# Altium PCB Thunderscope_Rev3.PCBDOC (part 5 of 6)
Units mm, origin at the board's own origin, x right, y up, seen from the top; angles counter-clockwise.
Board outline 119 x 104 mm, 6 copper layers (Top Layer, Int1 (GND), Int2 (Sign), Int3 (Sign), Int4 (GND), Bottom Layer), stack 1.49 mm thick; 575 components, 342 nets, 2000 pads, 1216 vias.
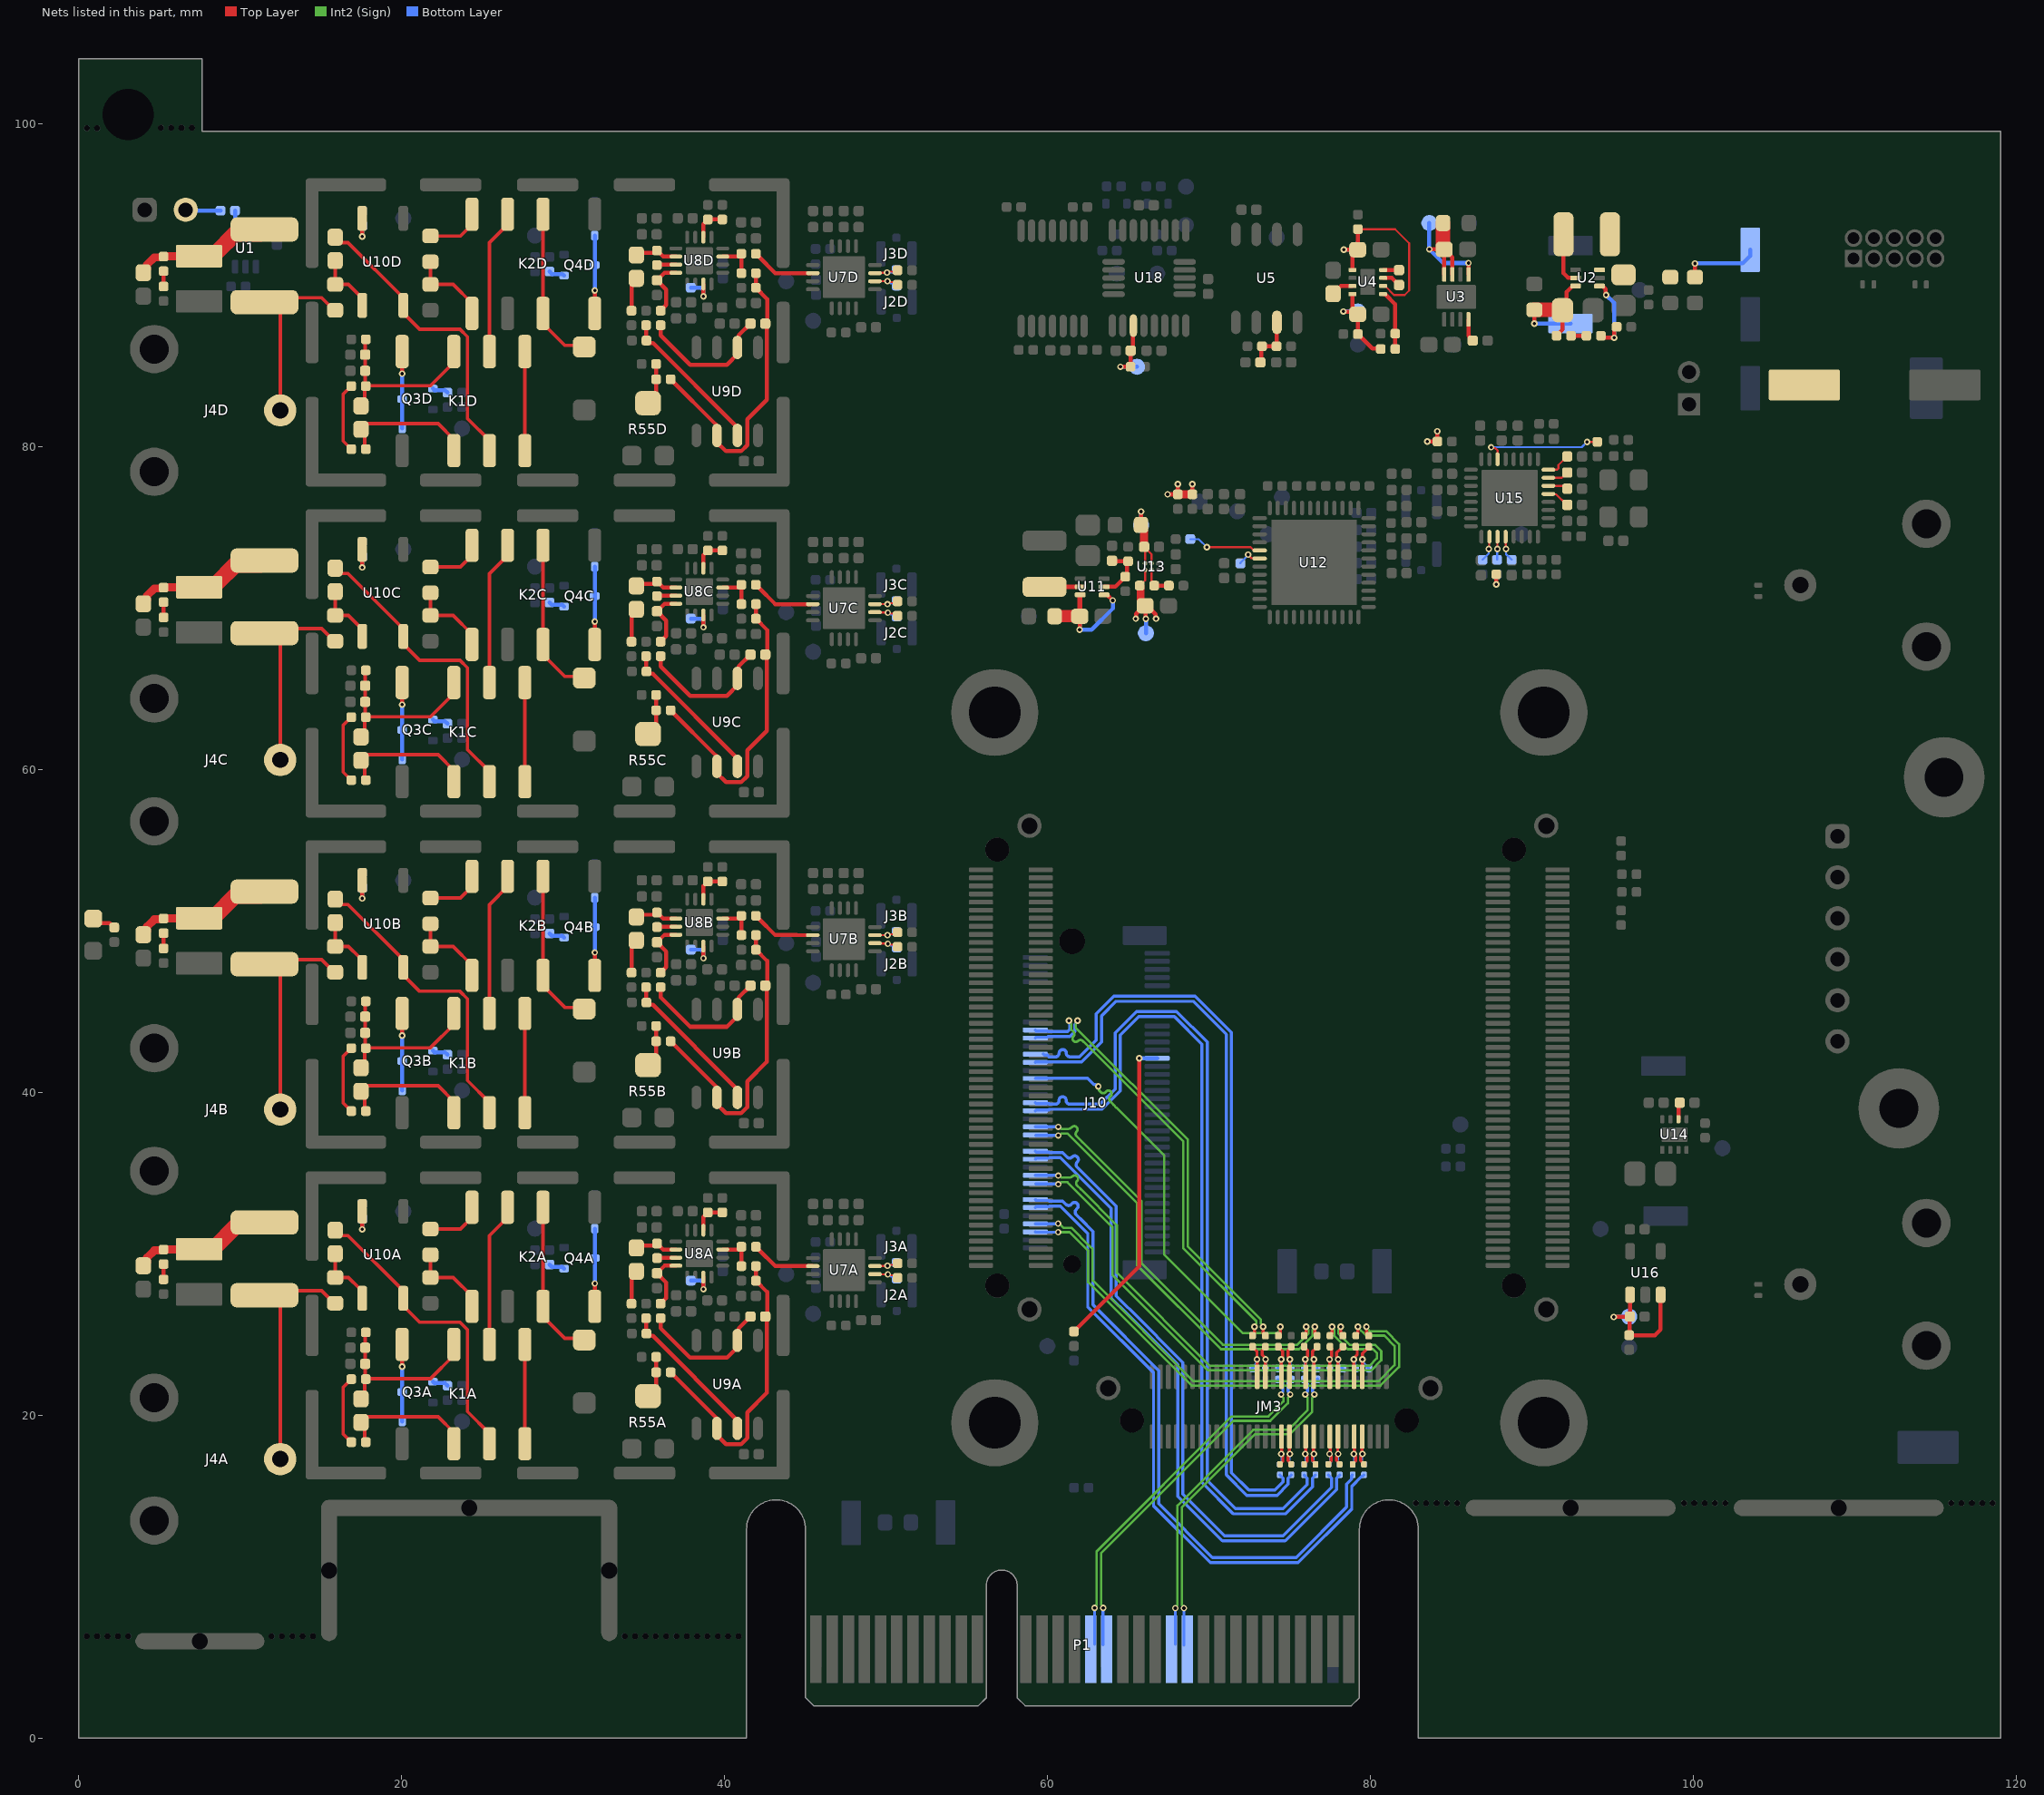
[diagram p9: the nets of this part, all layers, seen from the top]

## Via types
v1: diameter 0.406, hole 0.203, Top Layer to Bottom Layer, tented both sides, 1216 vias

## Nets (pads, with @x,y where several pads share a name; then routed paths per layer and width w, separated by ;. In a path a pad name is that pad's centre, name@x,y a point inside that pad or via, vN(x,y) a via of type N, cw(c..) or ccw(c..) an arc to the next point about the centre after c; other vN are vias at no path point) (continued)
M2_PER0_P: C77.1 J10.44 | length 26.9
  Top Layer w0.191: C77.1@74.275,24.915 74.408,25.048 74.408,25.462 74.42,25.473 v1(74.397,25.475) v1(74.397,25.475)
  Int2 (Sign) w0.148: v1(63.131,40.351) 63.18,40.301 63.18,40.11 63.239,40.052 63.291,39.999 ccw(c63.433,40.141) 63.575,39.999 63.614,40.038 cw(c63.757,39.896) 63.899,40.038 cw(c63.757,39.896) 63.899,39.754 63.86,39.715 ccw(c64.002,39.573) 63.86,39.431 64.078,39.213 64.081,39.213 64.26,39.034 64.312,38.981 67.2,36.094 67.2,29.939 72.07,25.069 74.186,25.069 74.348,25.231 74.348,25.425 v1(74.397,25.475)
  Bottom Layer w0.191: J10.44@59.225,40.85 59.246,40.871 62.466,40.871 62.869,40.468 62.955,40.468 63.072,40.351 v1(63.131,40.351)
M2_PER1_N: C72.1 J10.30 | length 26.6
  Top Layer w0.191: v1(76.53,25.473) 76.53,25.361 76.542,25.35 76.542,25.048 C72.1@76.675,24.915
  Int2 (Sign) w0.148: v1(60.65,37.317) 60.72,37.317 60.849,37.446 61.216,37.446 65.521,33.141 65.521,29.29 70.73,24.082 75.564,24.082 76.4,24.918 76.4,25.273 76.53,25.403 v1(76.53,25.473)
  Bottom Layer w0.191: J10.30@59.25,37.325 v1@60.647,37.325
M2_PER1_P: C73.1 J10.32 | length 26.7
  Top Layer w0.191: C73.1@75.875,24.915 76.008,25.048 76.008,25.462 76.02,25.473 v1(75.997,25.475) v1(75.997,25.475)
  Int2 (Sign) w0.148: v1(60.65,37.85) 60.72,37.85 60.849,37.721 61.134,37.721 61.238,37.721 ccw(c61.238,38.064) 61.481,37.821 61.497,37.837 cw(c61.639,37.695) 61.781,37.837 cw(c61.639,37.695) 61.781,37.553 ccw(c61.923,37.411) 61.781,37.269 62.138,36.912 65.796,33.255 65.796,29.404 70.843,24.357 75.45,24.357 76.125,25.032 76.125,25.277 75.997,25.405 v1(75.997,25.475)
  Bottom Layer w0.191: J10.32@59.225,37.85 v1@60.634,37.85
M2_PER2_N: C68.1 J10.18 | length 33
  Top Layer w0.191: v1(78.13,25.473) 78.13,25.361 78.142,25.35 78.142,25.048 C68.1@78.275,24.915
  Int2 (Sign) w0.148: v1(60.65,34.3) 60.72,34.3 60.849,34.429 61.216,34.429 64,31.645 64,28.7 69.927,22.773 80.028,22.773 80.648,23.394 80.648,23.956 80.248,24.357 78.692,24.357 78,25.048 78,25.273 78.13,25.403 v1(78.13,25.473)
  Bottom Layer w0.191: J10.18@59.25,34.325 v1@60.647,34.325
M2_PER2_P: C69.1 J10.20 | length 33.1
  Top Layer w0.191: C69.1@77.475,24.915 77.608,25.048 77.608,25.462 77.62,25.473 v1(77.597,25.475) v1(77.597,25.475)
  Int2 (Sign) w0.148: v1(60.65,34.833) 60.72,34.833 60.849,34.704 61.204,34.704 61.31,34.704 ccw(c61.31,35.047) 61.532,34.786 cw(c61.674,34.644) 61.816,34.786 cw(c61.674,34.644) 61.816,34.501 ccw(c61.959,34.359) 61.816,34.217 62.046,33.987 64.275,31.759 64.275,28.814 70.041,23.048 79.914,23.048 80.373,23.507 80.373,23.842 80.134,24.082 78.578,24.082 77.725,24.934 77.725,25.277 77.597,25.405 v1(77.597,25.475)
  Bottom Layer w0.191: J10.20@59.225,34.85 v1@60.634,34.85
M2_PER3_N: C16.1 J10.6 | length 32.6
  Top Layer w0.191: v1(79.73,25.473) 79.73,25.361 79.742,25.35 79.742,25.048 C16.1@79.875,24.915
  Int2 (Sign) w0.148: v1(60.647,31.325) 61.342,31.325 62.5,30.167 62.5,28.225 68.902,21.823 80.598,21.823 81.75,22.975 81.75,24.4 80.954,25.196 79.932,25.196 79.845,25.282 79.845,25.289 79.73,25.403 v1(79.73,25.473)
  Bottom Layer w0.191: J10.6@59.225,31.35 59.25,31.325 v1(60.647,31.325)
M2_PER3_P: C65.1 J10.8 | length 32.5
  Top Layer w0.191: C65.1@79.075,24.915 79.208,25.048 79.208,25.462 79.22,25.473 v1(79.197,25.475) v1(79.197,25.475)
  Int2 (Sign) w0.148: v1(60.647,31.862) 60.711,31.862 60.973,31.6 61.456,31.6 62.591,30.465 62.775,30.281 62.775,28.339 69.016,22.098 80.484,22.098 81.475,23.089 81.475,24.286 80.84,24.921 79.711,24.921 79.197,25.435 v1(79.197,25.475)
  Bottom Layer w0.191: J10.8@59.225,31.85 v1@60.634,31.85
M2_PERST#: J10.49 R85.2 | length 19.7
  Top Layer w0.254: R85.2@61.625,25.175 65.67,29.22 v1(65.67,42.1)
  Bottom Layer w0.254: v1(65.67,42.1) J10.49@66.775,42.1
M2_PET0_N: J10.48 R82.2 | length 47.8
  Bottom Layer w0.191: J10.48@59.225,41.85 59.248,41.873 62.098,41.873 63.325,43.1 63.325,44.725 64.225,45.625 69,45.625 71.05,43.575 71.05,16.3 72.318,15.032 74.193,15.032 74.884,15.723 74.884,16.084 75.075,16.275 R82.2@75.075,16.3
M2_PET0_P: J10.50 R83.2 | length 47.3
  Bottom Layer w0.191: J10.50@59.709,42.368 59.784,42.293 59.982,42.293 60.084,42.191 60.386,42.191 60.481,42.191 ccw(c60.481,42.413) 60.704,42.413 ; 60.704,42.413 cw(c60.926,42.413) 60.926,42.636 cw(c60.926,42.413) 61.148,42.413 ; 61.148,42.413 ccw(c61.371,42.413) 61.371,42.191 61.867,42.191 61.966,42.191 63.007,43.232 63.007,44.857 64.093,45.943 69.132,45.943 71.368,43.707 71.368,16.432 72.449,15.35 74.061,15.35 74.566,15.855 74.566,16.084 74.375,16.275 R83.2@74.375,16.3
M2_PET1_N: J10.36 R78.2 | length 51.8
  Bottom Layer w0.191: J10.36@59.225,38.85 59.282,38.907 60.069,38.907 60.103,38.941 61.777,38.941 63.366,38.941 64.493,40.068 64.493,43.543 65.632,44.682 67.843,44.682 69.55,42.975 69.55,15.826 71.493,13.882 74.707,13.882 76.384,15.559 76.384,16.084 76.575,16.275 R78.2@76.575,16.3
M2_PET1_P: J10.38 R79.2 | length 51.8
  Bottom Layer w0.191: J10.38@59.225,39.35 59.282,39.293 60.069,39.293 60.103,39.259 60.378,39.259 60.474,39.259 ccw(c60.474,39.481) 60.696,39.481 60.696,39.491 cw(c60.919,39.491) 60.919,39.713 cw(c60.919,39.491) 61.141,39.491 61.141,39.481 ccw(c61.363,39.481) 61.363,39.259 61.777,39.259 63.234,39.259 64.175,40.199 64.175,43.675 65.5,45 67.974,45 69.868,43.107 69.868,15.957 71.625,14.2 74.575,14.2 76.066,15.691 76.066,16.084 75.875,16.275 R79.2@75.875,16.3
M2_PET2_N: J10.24 R74.2 | length 38.9
  Bottom Layer w0.191: J10.24@59.225,35.85 59.282,35.907 60.069,35.907 60.103,35.941 60.784,35.941 63.925,32.8 63.925,27.25 64.925,26.25 68.05,23.125 68.05,15.238 68.05,14.975 70.818,12.207 74.698,12.207 77.884,15.393 77.884,16.084 78.075,16.275 R74.2@78.075,16.3
M2_PET2_P: J10.26 R75.2 | length 38.9
  Bottom Layer w0.191: J10.26@59.225,36.35 59.282,36.293 60.069,36.293 60.103,36.259 60.916,36.259 61.125,36.05 61.192,35.982 ccw(c61.349,36.14) 61.507,35.982 61.513,35.989 cw(c61.671,35.832) 61.828,35.989 cw(c61.671,35.832) 61.828,35.674 61.821,35.668 ccw(c61.978,35.51) 61.821,35.353 61.98,35.194 62.048,35.127 64.243,32.932 64.243,27.382 64.851,26.774 65.15,26.475 68.368,23.257 68.368,15.107 70.949,12.525 74.566,12.525 77.566,15.525 77.566,16.084 77.375,16.275 R75.2@77.375,16.3
M2_PET3_N: J10.12 R70.2 | length 40.1
  Bottom Layer w0.191: J10.12@59.225,32.85 59.282,32.907 60.069,32.907 60.103,32.941 60.784,32.941 62.475,31.25 62.475,26.701 66.55,22.626 66.55,14.375 70.068,10.857 75.507,10.857 78.824,14.174 78.824,15.588 79.431,16.195 79.495,16.195 79.575,16.275 R70.2@79.575,16.3
M2_PET3_P: J10.14 R71.2 | length 40.1
  Bottom Layer w0.191: J10.14@59.225,33.35 59.282,33.293 60.069,33.293 60.103,33.259 60.916,33.259 61.062,33.112 61.13,33.045 ccw(c61.287,33.202) 61.444,33.045 61.504,33.104 cw(c61.661,32.947) 61.818,33.104 cw(c61.661,32.947) 61.818,32.79 61.759,32.73 ccw(c61.916,32.573) 61.759,32.416 61.932,32.242 62,32.175 62.793,31.382 62.793,26.832 66.868,22.757 66.868,14.507 70.199,11.175 75.375,11.175 78.506,14.306 78.506,15.72 78.809,16.023 78.809,16.234 R71.2@78.875,16.3
M2_REFCLK_N: C80.1 J10.54 | length 27.8
  Top Layer w0.191: v1(73.33,25.473) 73.33,25.361 73.342,25.35 73.342,25.048 C80.1@73.475,24.915
  Int2 (Sign) w0.148: v1(61.85,44.425) 61.85,44.355 61.725,44.23 61.725,44 68.675,37.05 68.675,30.439 73.187,25.927 73.187,25.687 73.33,25.543 v1(73.33,25.473)
  Bottom Layer w0.191: J10.54@59.225,43.35 59.282,43.407 59.982,43.407 60.016,43.441 61.36,43.441 61.676,43.757 61.676,44.192 61.85,44.367 v1(61.85,44.425)
M2_REFCLK_P: C81.1 J10.56 | length 27.7
  Top Layer w0.191: C81.1@72.675,24.915 72.808,25.048 72.808,25.462 72.82,25.473 v1(72.797,25.475) v1(72.797,25.475)
  Int2 (Sign) w0.148: v1(61.317,44.436) 61.317,44.366 61.45,44.233 61.45,44.054 61.45,43.886 61.593,43.743 cw(c61.451,43.601) 61.593,43.459 ccw(c61.735,43.317) 61.593,43.174 ccw(c61.735,43.317) 61.878,43.174 cw(c62.02,43.032) 62.162,43.175 62.214,43.122 68.4,36.936 68.4,30.325 72.912,25.813 72.912,25.659 72.797,25.545 v1(72.797,25.475)
  Bottom Layer w0.191: J10.56@59.225,43.85 59.282,43.793 59.982,43.793 60.016,43.759 61.229,43.759 61.358,43.888 61.358,44.395 v1(61.317,44.436)
MGT_CLK1_N: C40.2 C80.2 JM3.32 | length 2.6
  Top Layer w0.191: JM3.32@73.468,22.372 73.476,22.38 73.476,23.443 v1(73.485,23.452) 73.443,23.493 73.443,23.562 73.269,23.736 73.269,24.004 73.475,24.21 C80.2@73.475,24.235
  Bottom Layer w0.191: C40.2@73.45,22.89 73.463,22.903 73.463,23.431 v1(73.485,23.452)
MGT_CLK1_P: C79.2 C81.2 JM3.34 | length 2.7
  Top Layer w0.191: C81.2@72.675,24.235 72.675,24.22 72.951,23.944 v1(72.951,23.452) 72.96,23.443 72.96,22.38 JM3.34@72.968,22.372
  Bottom Layer w0.191: C79.2@72.65,22.89 72.65,22.905 72.764,23.019 72.779,23.019 72.926,23.166 72.926,23.427 v1(72.951,23.452)
MGT_RX0_N: JM3.7 R68.1 R70.1 | length 2.5
  Top Layer w0.191: JM3.7@79.468,18.672 79.452,18.656 79.452,17.624 v1(79.485,17.591) ; v1@79.485,17.533 79.375,17.423 79.375,17.175 R68.1@79.575,16.975
  Bottom Layer w0.191: v1(79.485,17.591) 79.485,17.533 79.432,17.481 79.432,17.118 79.575,16.975 R70.1@79.575,16.95
MGT_RX0_P: JM3.9 R69.1 R71.1 | length 2.5
  Top Layer w0.191: R69.1@78.875,16.975 79.057,17.157 79.057,17.427 v1@78.959,17.525 ; v1(78.951,17.591) 78.984,17.624 78.984,18.656 JM3.9@78.968,18.672
  Bottom Layer w0.191: R71.1@78.875,16.95 78.875,16.975 79.01,17.11 79.01,17.475 78.951,17.533 v1(78.951,17.591)
MGT_RX1_N: JM3.13 R72.1 R74.1 | length 2.5
  Top Layer w0.191: JM3.13@77.968,18.672 77.952,18.656 77.952,17.624 v1(77.985,17.591) ; v1@77.985,17.533 77.875,17.423 77.875,17.175 R72.1@78.075,16.975
  Bottom Layer w0.191: v1(77.985,17.591) 77.985,17.533 77.932,17.481 77.932,17.118 78.075,16.975 R74.1@78.075,16.95
MGT_RX1_P: JM3.15 R73.1 R75.1 | length 2.5
  Top Layer w0.191: R73.1@77.375,16.975 77.557,17.157 77.557,17.427 v1@77.459,17.525 ; v1(77.451,17.591) 77.484,17.624 77.484,18.656 JM3.15@77.468,18.672
  Bottom Layer w0.191: R75.1@77.375,16.95 77.375,16.975 77.51,17.11 77.51,17.475 77.451,17.533 v1(77.451,17.591)
MGT_RX2_N: JM3.19 R76.1 R78.1 | length 2.5
  Top Layer w0.191: JM3.19@76.468,18.672 76.452,18.656 76.452,17.624 v1(76.485,17.591) ; v1@76.493,17.541 76.383,17.432 76.383,17.183 R76.1@76.583,16.983
  Bottom Layer w0.191: v1(76.485,17.591) 76.485,17.533 76.432,17.481 76.432,17.118 76.575,16.975 R78.1@76.575,16.95
MGT_RX2_P: JM3.21 R77.1 R79.1 | length 2.5
  Top Layer w0.191: R77.1@75.883,16.983 76.066,17.166 76.066,17.436 v1@75.967,17.534 ; v1(75.951,17.591) 75.984,17.624 75.984,18.656 JM3.21@75.968,18.672
  Bottom Layer w0.191: R79.1@75.875,16.95 75.875,16.975 76.01,17.11 76.01,17.475 75.951,17.533 v1(75.951,17.591)
MGT_RX3_N: JM3.25 R80.1 R82.1 | length 2.6
  Top Layer w0.191: JM3.25@74.968,18.672 74.952,18.656 74.952,17.624 v1(74.985,17.591) 74.985,17.533 74.875,17.423 74.875,17.175 75.075,16.975 R80.1@75.075,16.95
  Bottom Layer w0.191: v1(74.985,17.591) 74.985,17.533 74.932,17.481 74.932,17.118 75.075,16.975 R82.1@75.075,16.95
MGT_RX3_P: JM3.27 R81.1 R83.1 | length 2.6
  Top Layer w0.191: R81.1@74.375,16.95 74.375,16.975 74.557,17.157 74.557,17.427 74.459,17.525 v1@74.459,17.591 ; v1(74.451,17.591) 74.484,17.624 74.484,18.656 JM3.27@74.468,18.672
  Bottom Layer w0.191: R83.1@74.375,16.95 74.375,16.975 74.51,17.11 74.51,17.475 74.451,17.533 v1(74.451,17.591)
MGT_TX0_N: C16.2 C62.2 JM3.8 | length 2.7
  Top Layer w0.191: JM3.8@79.476,22.38 79.476,23.822 79.875,24.22 C16.2@79.875,24.235
  Bottom Layer w0.191: v1(79.485,23.452) 79.526,23.411 79.526,23.214 79.721,23.019 79.736,23.019 79.85,22.905 C62.2@79.85,22.89
MGT_TX0_P: C15.2 C65.2 JM3.10 | length 2.6
  Top Layer w0.191: JM3.10@78.96,22.38 78.96,23.443 78.993,23.476 78.993,23.562 79.159,23.728 C65.2@79.159,24.176 ; C65.2@79.075,24.235 C65.2@79.159,24.151
  Bottom Layer w0.191: v1(78.951,23.452) 78.993,23.411 78.993,22.947 C15.2@79.05,22.89
MGT_TX1_N: C66.2 C68.2 JM3.14 | length 2.7
  Top Layer w0.191: JM3.14@77.976,22.38 v1@77.976,23.443 ; v1(77.985,23.452) 77.985,23.51 77.893,23.602 77.893,23.863 78.136,24.106 78.161,24.106 78.275,24.22 C68.2@78.275,24.235
  Bottom Layer w0.191: v1@77.987,23.436 77.992,23.431 77.992,23.148 78.121,23.019 78.136,23.019 78.25,22.905 C66.2@78.25,22.89
MGT_TX1_P: C67.2 C69.2 JM3.16 | length 2.5
  Top Layer w0.191: v1(77.451,23.452) 77.451,23.51 77.575,23.634 77.575,24.135 C69.2@77.475,24.235 ; JM3.16@77.46,22.38 v1@77.46,23.443
  Bottom Layer w0.191: C67.2@77.451,22.891 v1@77.451,23.451
MGT_TX2_N: C70.2 C72.2 JM3.20 | length 2.6
  Top Layer w0.191: JM3.20@76.476,22.38 v1@76.476,23.443 ; v1(76.485,23.452) 76.485,23.51 76.393,23.602 76.393,23.948 76.552,24.106 76.561,24.106 76.675,24.22 C72.2@76.675,24.235
  Bottom Layer w0.191: v1(76.485,23.452) 76.485,23.105 76.65,22.94 C70.2@76.65,22.89
MGT_TX2_P: C71.2 C73.2 JM3.22 | length 2.6
  Top Layer w0.191: v1@75.875,23.452 75.893,23.452 76.075,23.634 76.075,24.01 75.875,24.21 C73.2@75.875,24.235 ; JM3.22@75.96,22.38 v1@75.96,23.443
  Bottom Layer w0.191: C71.2@75.85,22.89 75.951,22.991 v1(75.951,23.452)
MGT_TX3_N: C74.2 C76.2 JM3.26 | length 2.6
  Top Layer w0.191: JM3.26@74.976,22.38 v1@74.976,23.443 ; v1(74.985,23.452) 74.985,23.51 74.868,23.627 74.868,24.003 75.075,24.21 C76.2@75.075,24.235
  Bottom Layer w0.191: v1(74.985,23.452) 74.985,22.955 C74.2@75.05,22.89
MGT_TX3_P: C75.2 C77.2 JM3.28 | length 2.7
  Top Layer w0.191: C77.2@74.275,24.235 74.275,24.22 74.389,24.106 74.398,24.106 74.55,23.955 74.55,23.609 74.447,23.506 v1@74.447,23.452 ; JM3.28@74.46,22.38 v1@74.46,23.443
  Bottom Layer w0.191: C75.2@74.25,22.89 74.25,22.915 74.451,23.116 v1(74.451,23.452)
NetC2_2: C2.2 C111.1 L1.1 R3.1 R5.1 TP3.1 U2.3 | length 4.8
  Top Layer w0.254: R5.1@100.075,90.475 v1(100.075,91.325)
  Bottom Layer w0.254: v1(100.075,91.325) 103.027,91.325 103.5,91.798 TP3.1@103.5,92.175
NetC3_2: C3.2 R4.1 R10.2 TP1.1 U2.6 | length 8.5
  Top Layer w0.254: v1(90.125,87.6) R4.1@90.125,88.45 ; R10.2@91.5,86.85 91.875,87.225 C3.2@91.875,88.425 ; C3.2@91.85,88.45 C3.2@91.875,88.425 ; U2.6@92.685,89.925 92.5,89.925 92.137,89.562 92.137,88.687 C3.2@91.875,88.425
  Top Layer w0.9: R4.1@90.125,88.45 C3.2@91.85,88.45
  Bottom Layer w0.254: v1(90.125,87.6) TP1.1@92.375,87.6
NetC4_2: C4.2 U14.6 | length 1.1
  Top Layer w0.254: U14.6@99.05,38.325 99.052,38.327 99.052,39.287 C4.2@99.115,39.35
NetC5_2: C5.2 R9.1 R11.2 TP12.1 U4.4 | length 6.1
  Top Layer w0.254: v1(78.3,88.35) 78.329,88.321 C5.2@79.045,88.321 ; U4.4@78.866,89.426 78.866,88.501 C5.2@79.045,88.321 ; R11.2@80.616,86.026 80.59,86.051 80.099,86.051 R9.1@79.2,86.95 79.195,86.955 79.195,88.171 C5.2@79.191,88.176 C5.2@79.045,88.321
  Bottom Layer w0.254: v1(78.3,88.35) TP12.1@79.2,88.35
NetC6_2: C6.2 R7.2 TP9.1 U3.5 U3.7 U3.8 | length 11
  Top Layer w0.25: U3.8@84.55,90.645 C6.2@84.548,92.187 ; C6.2@84.553,92.2 85.05,91.703 U3.7@85.05,90.645 ; U3.5@86.05,90.645 v1(86.05,91.35)
  Top Layer w0.254: v1(83.625,92.2) C6.2@84.545,92.2 ; U3.8@84.55,90.645 U3.8@84.55,90.645 ; C6.2@84.548,92.187 84.548,92.197 C6.2@84.545,92.2 ; C6.2@84.553,92.2 C6.2@84.545,92.2
  Top Layer w0.9: R7.2@84.48,93.825 84.48,92.225 84.505,92.2 C6.2@84.545,92.2
  Bottom Layer w0.254: TP9.1@83.625,93.825 v1(83.625,92.2) 84.475,91.35 v1(86.05,91.35)
NetC8_2: C8.2 R8.2 TP11.1 U4.1 U4.6 | length 12.8
  Top Layer w0.127: R8.2@79.2,93.45 81.5,93.45 82.375,92.575 82.375,89.65 82.1,89.375 81.441,89.375 80.891,89.926 U4.6@80.766,89.926
  Top Layer w0.254: v1(78.335,92.175) C8.2@79.191,92.176 78.866,91.851 U4.1@78.866,90.926 ; C8.2@79.191,92.176 79.195,92.18 79.195,93.445 R8.2@79.2,93.45
  Bottom Layer w0.254: v1(78.335,92.175) TP11.1@79.175,92.175
NetC9_1: C9.1 U4.7 | length 1.2
  Top Layer w0.254: U4.7@80.766,90.426 81.314,90.426 C9.1@81.75,89.99
NetC9_2: C9.2 U4.8 | length 1
  Top Layer w0.254: U4.8@80.766,90.926 80.768,90.924 81.736,90.924 C9.2@81.75,90.91
NetC10_2: C10.2 U3.4 | length 1.4
  Top Layer w0.254: U3.4@86.05,87.855 86.05,86.833 86.315,86.568 C10.2@86.315,86.55
NetC11_2: C11.2 U4.3 | length 1.4
  Top Layer w0.254: C11.2@77.666,89.451 77.675,89.451 78.15,89.926 U4.3@78.866,89.926
NetC17A_1: C17A.1 K1A.3 U10A.4 | length 18.9
  Top Layer w0.213: C17A.1@15.875,31.45 16.205,31.12 16.675,31.12 20.095,27.7 U10A.4@20.095,27.23 20.095,26.76 21.105,25.75 23.6,25.75 24.067,25.283 24.067,20.218 25.425,18.86 K1A.3@25.425,18.23
NetC17A_2: C17A.2 R65A.2 U10A.3 | length 4
  Top Layer w0.213: C17A.2@15.875,30 R65A.2@15.875,28.525 16.7,28.525 17.366,27.859 17.384,27.859 17.555,27.688 U10A.3@17.555,27.23
NetC17B_1: C17B.1 K1B.3 U10B.4 | length 18.9
  Top Layer w0.213: C17B.1@15.875,51.95 16.205,51.62 16.675,51.62 20.095,48.2 U10B.4@20.095,47.73 20.095,47.26 21.105,46.25 23.6,46.25 24.067,45.783 24.067,40.718 25.425,39.36 K1B.3@25.425,38.73
NetC17B_2: C17B.2 R65B.2 U10B.3 | length 4
  Top Layer w0.213: C17B.2@15.875,50.5 R65B.2@15.875,49.025 16.7,49.025 17.366,48.359 17.384,48.359 17.555,48.188 U10B.3@17.555,47.73
NetC17C_1: C17C.1 K1C.3 U10C.4 | length 18.9
  Top Layer w0.213: C17C.1@15.875,72.45 16.205,72.12 16.675,72.12 20.095,68.7 U10C.4@20.095,68.23 20.095,67.76 21.105,66.75 23.6,66.75 24.067,66.283 24.067,61.218 25.425,59.86 K1C.3@25.425,59.23
NetC17C_2: C17C.2 R65C.2 U10C.3 | length 4
  Top Layer w0.213: C17C.2@15.875,71 R65C.2@15.875,69.525 16.7,69.525 17.366,68.859 17.384,68.859 17.555,68.688 U10C.3@17.555,68.23
NetC17D_1: C17D.1 K1D.3 U10D.4 | length 18.9
  Top Layer w0.213: C17D.1@15.875,92.95 16.205,92.62 16.675,92.62 20.095,89.2 U10D.4@20.095,88.73 20.095,88.26 21.105,87.25 23.6,87.25 24.067,86.783 24.067,81.718 25.425,80.36 K1D.3@25.425,79.73
NetC17D_2: C17D.2 R65D.2 U10D.3 | length 4
  Top Layer w0.213: C17D.2@15.875,91.5 R65D.2@15.875,90.025 16.7,90.025 17.366,89.359 17.384,89.359 17.555,89.188 U10D.3@17.555,88.73
NetC18A_1: C18A.1 K2A.2 K2A.7 | length 9.9
  Top Layer w0.213: K2A.2@28.75,32.87 K2A.7@28.75,26.73 28.75,26.1 30.1,24.75 C18A.1@31.3,24.75
NetC18B_1: C18B.1 K2B.2 K2B.7 | length 9.9
  Top Layer w0.213: K2B.2@28.75,53.37 K2B.7@28.75,47.23 28.75,46.6 30.1,45.25 C18B.1@31.3,45.25
NetC18C_1: C18C.1 K2C.2 K2C.7 | length 9.9
  Top Layer w0.213: K2C.2@28.75,73.87 K2C.7@28.75,67.73 28.75,67.1 30.1,65.75 C18C.1@31.3,65.75
NetC18D_1: C18D.1 K2D.2 K2D.7 | length 9.9
  Top Layer w0.213: K2D.2@28.75,94.37 K2D.7@28.75,88.23 28.75,87.6 30.1,86.25 C18D.1@31.3,86.25
NetC19A_1: C19A.1 C20A.2 C21A.2 K1A.7 R25A.2 R26A.2 | length 11
  Top Layer w0.213: C19A.1@17.475,21 17.712,21.237 17.712,22.162 R25A.2@17.775,22.225 17.735,22.265 C20A.2@17.735,23.175 17.735,25.085 R26A.2@17.775,25.125 ; R25A.2@17.775,22.25 21.775,22.25 23.225,23.7 K1A.7@23.225,24.37
NetC19A_2: C19A.2 K1A.2 R24A.1 | length 8.3
  Top Layer w0.213: R24A.1@17.775,18.325 17.712,18.388 17.712,19.313 C19A.2@17.475,19.55 C19A.2@17.8,19.875 ; C19A.2@17.8,19.9 22.25,19.9 23.225,18.925 K1A.2@23.225,18.23
NetC19B_1: C19B.1 C20B.2 C21B.2 K1B.7 R25B.2 R26B.2 | length 11
  Top Layer w0.213: C19B.1@17.475,41.5 17.712,41.737 17.712,42.662 R25B.2@17.775,42.725 17.735,42.765 C20B.2@17.735,43.675 17.735,45.585 R26B.2@17.775,45.625 ; R25B.2@17.775,42.75 21.775,42.75 23.225,44.2 K1B.7@23.225,44.87
NetC19B_2: C19B.2 K1B.2 R24B.1 | length 8.3
  Top Layer w0.213: R24B.1@17.775,38.825 17.712,38.888 17.712,39.813 C19B.2@17.475,40.05 C19B.2@17.8,40.375 ; C19B.2@17.8,40.4 22.25,40.4 23.225,39.425 K1B.2@23.225,38.73
NetC19C_1: C19C.1 C20C.2 C21C.2 K1C.7 R25C.2 R26C.2 | length 11
  Top Layer w0.213: C19C.1@17.475,62 17.712,62.237 17.712,63.162 R25C.2@17.775,63.225 17.735,63.265 C20C.2@17.735,64.175 17.735,66.085 R26C.2@17.775,66.125 ; R25C.2@17.775,63.25 21.775,63.25 23.225,64.7 K1C.7@23.225,65.37
NetC19C_2: C19C.2 K1C.2 R24C.1 | length 8.3
  Top Layer w0.213: R24C.1@17.775,59.325 17.712,59.388 17.712,60.313 C19C.2@17.475,60.55 C19C.2@17.8,60.875 ; C19C.2@17.8,60.9 22.25,60.9 23.225,59.925 K1C.2@23.225,59.23
NetC19D_1: C19D.1 C20D.2 C21D.2 K1D.7 R25D.2 R26D.2 | length 11
  Top Layer w0.213: C19D.1@17.475,82.5 17.712,82.737 17.712,83.662 R25D.2@17.775,83.725 17.735,83.765 C20D.2@17.735,84.675 17.735,86.585 R26D.2@17.775,86.625 ; R25D.2@17.775,83.75 21.775,83.75 23.225,85.2 K1D.7@23.225,85.87